# KiCad board AudioOutputPCB_Balanced.kicad_pcb
title: Balanced Analog Output Board for SmallDSP; date: 2024-04-24; rev: 1.0; company: Till Heuer
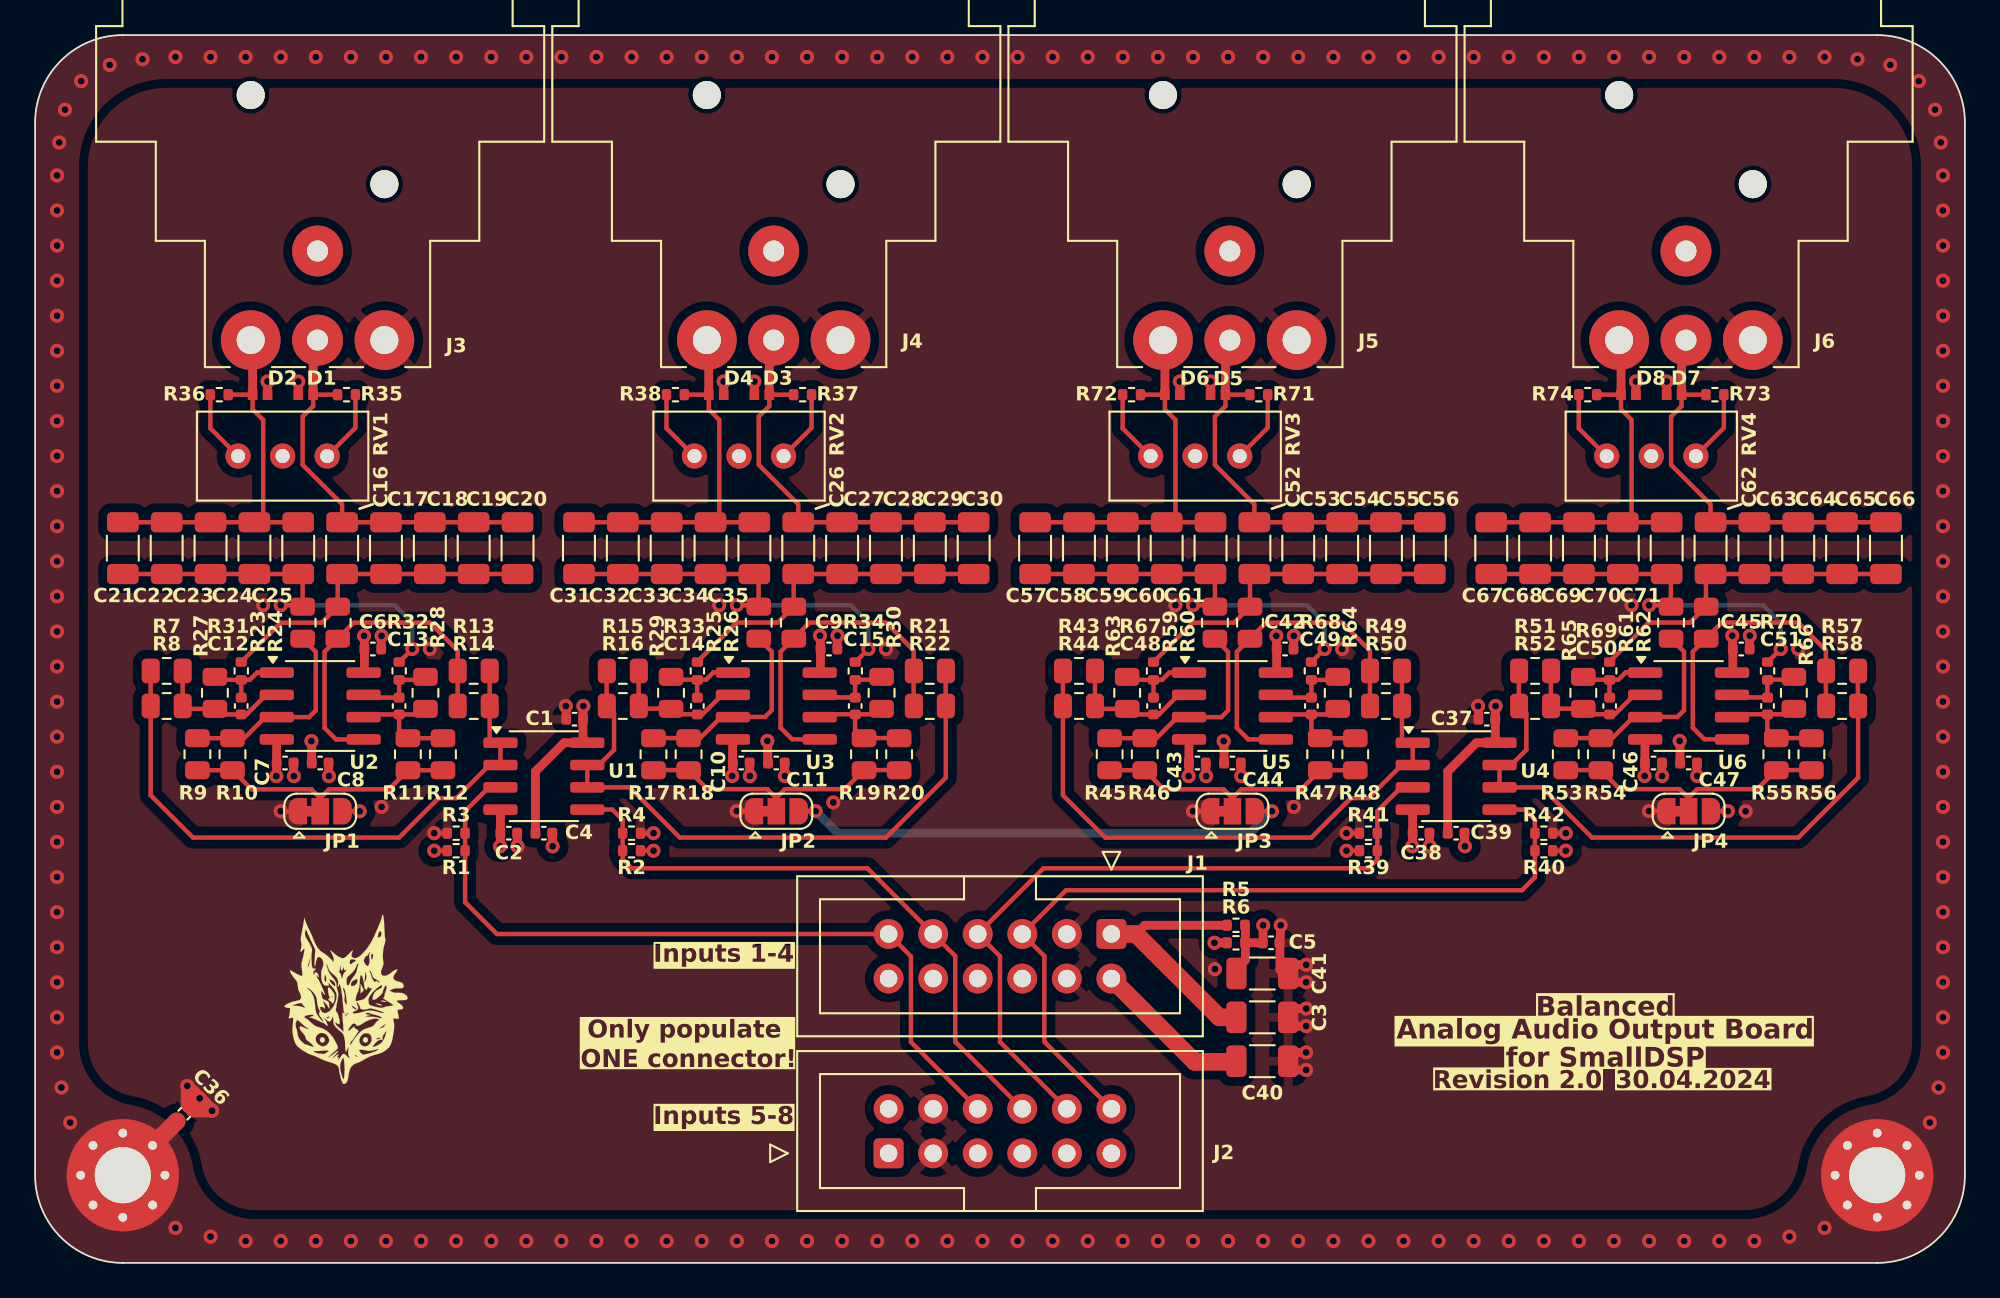
[diagram p0: board, top side]
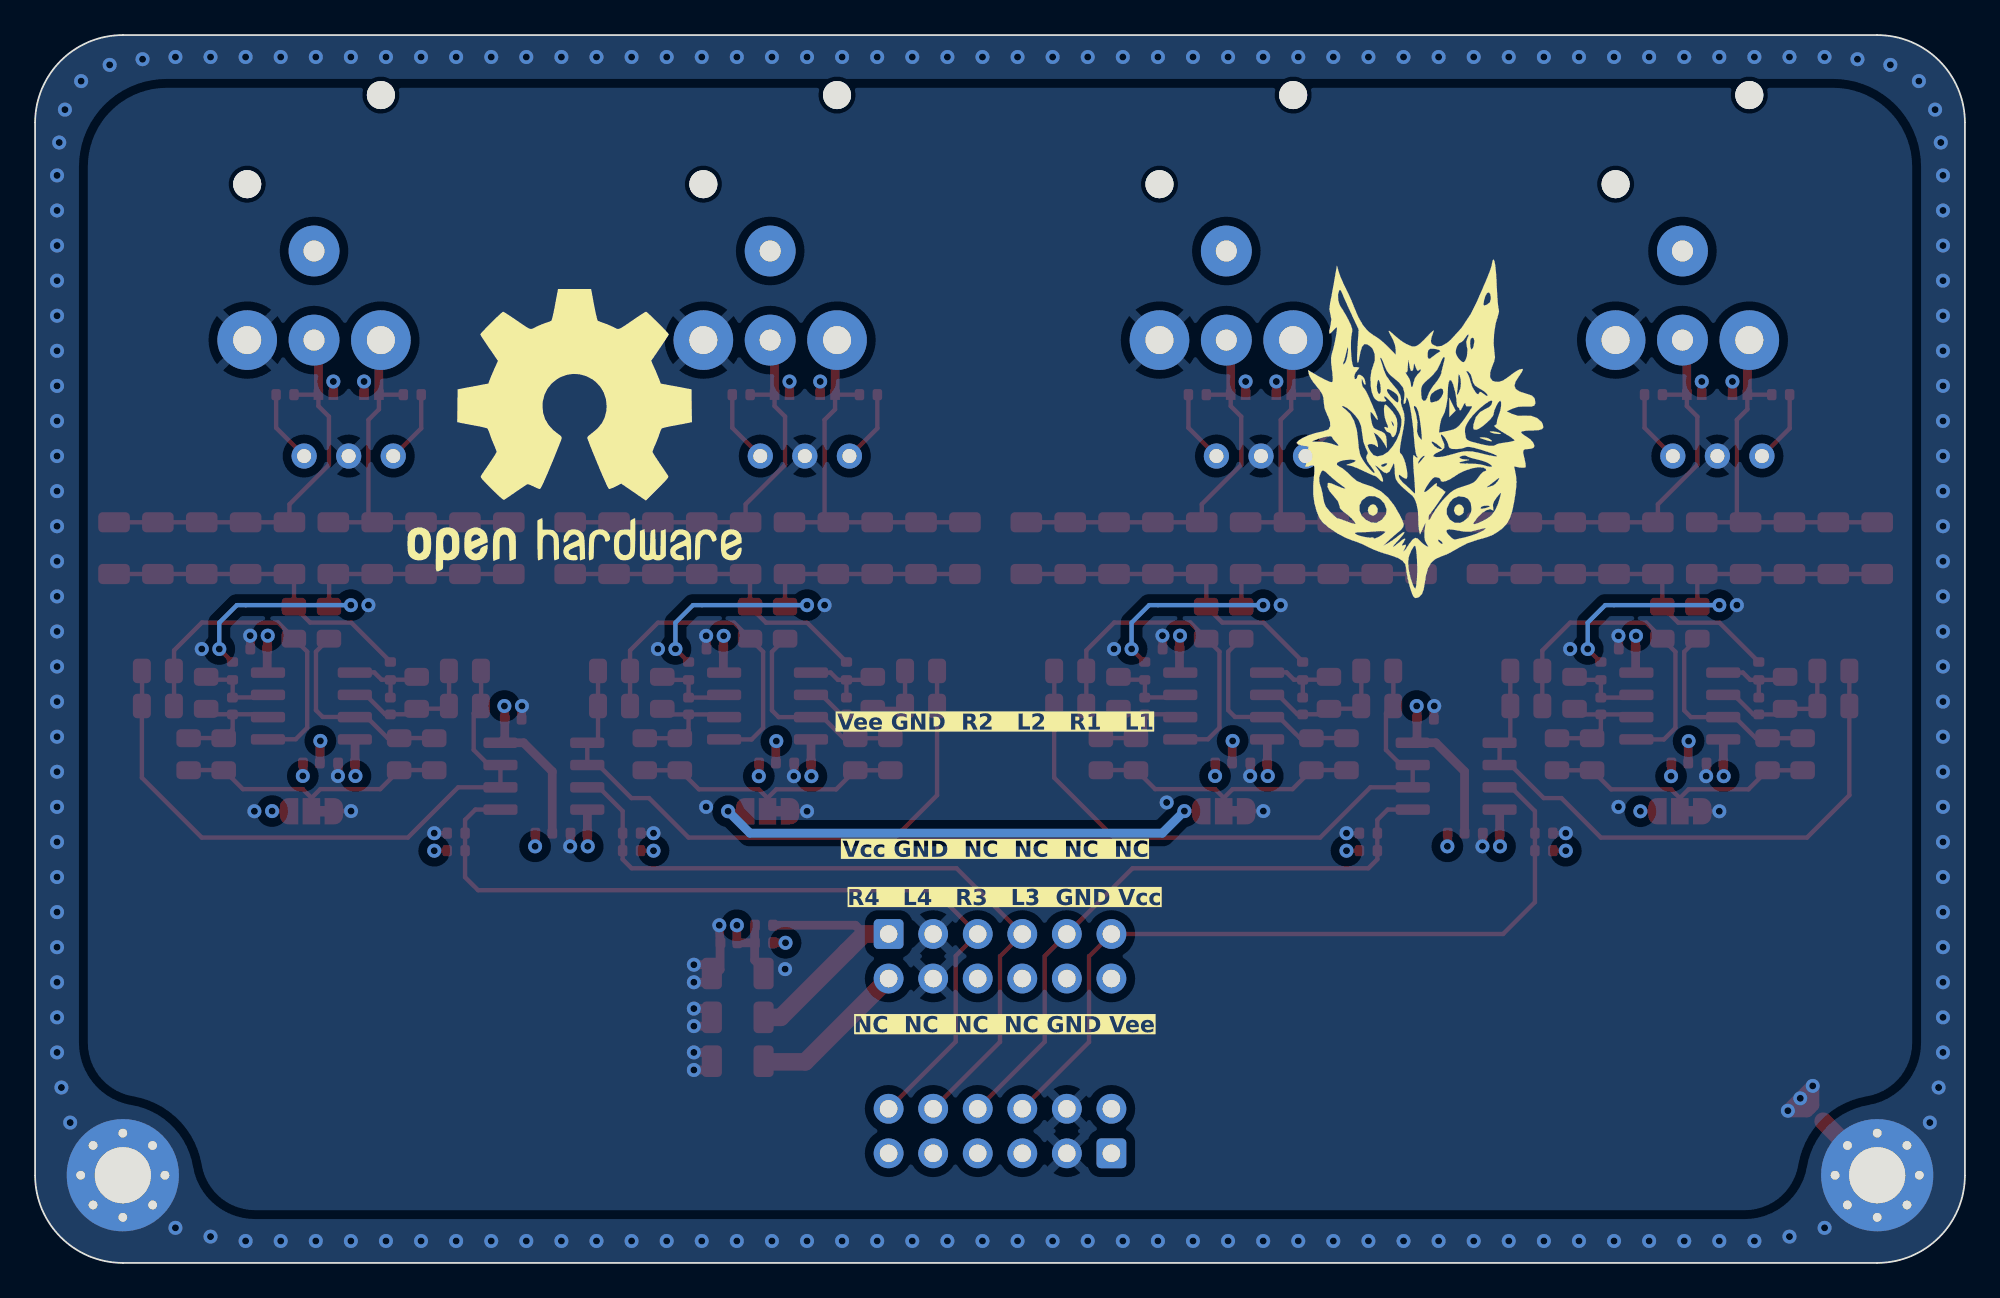
[diagram p1: board, bottom side, seen from below]

Outline 110 x 70 mm; copper layers: Top, In1.Cu, In2.Cu, Bottom. Coordinates in mm from the lower left corner of the outline.
Outline path: 0,65 0,5 arc(1.46,1.46) 5,0 105,0 arc(108.54,1.46) 110,5 110,65 arc(108.54,68.54) 105,70 5,70 arc(1.46,68.54) 0,65
Stack: Top 0.035mm / dielectric 0.1mm FR4 er 4.5 / In1.Cu 0.035mm / dielectric 1.24mm FR4 er 4.5 / In2.Cu 0.035mm / dielectric 0.1mm FR4 er 4.5 / Bottom 0.035mm

## Placement (name value [footprint] x y rotation side)
C1  100n  [C_0402_1005Metric]  30.75 31 180 top
C2  100n  [C_0402_1005Metric]  27 24.5 180 top
C3  10u  [C_1206_3216Metric]  69.95 16.5 180 top  (not fitted)
C4  100n  [C_0402_1005Metric]  29 24.5 0 top
C5  100n  [C_0402_1005Metric]  70.45 18.25 0 top  (not fitted)
C6  100n  [C_0402_1005Metric]  19.25 35 0 top
C7  100n  [C_0402_1005Metric]  14.25 28.5 180 top
C8  100n  [C_0402_1005Metric]  16.25 28.5 0 top
C9  100n  [C_0402_1005Metric]  45.25 35 0 top
C10  100n  [C_0402_1005Metric]  40.25 28.5 180 top
C11  100n  [C_0402_1005Metric]  42.25 28.5 0 top
C12  22p  [C_0402_1005Metric]  11.75 31.75 270 top
C13  22p  [C_0402_1005Metric]  20.75 31.75 270 top
C14  22p  [C_0402_1005Metric]  37.75 31.75 270 top
C15  22p  [C_0402_1005Metric]  46.75 31.75 270 top
C16  100u  [C_1206_3216Metric]  17.5 40.75 90 top
C17  100u  [C_1206_3216Metric]  20 40.75 90 top
C18  100u  [C_1206_3216Metric]  22.5 40.75 90 top
C19  100u  [C_1206_3216Metric]  25 40.75 90 top
C20  100u  [C_1206_3216Metric]  27.5 40.75 90 top
C21  100u  [C_1206_3216Metric]  5 40.75 90 top
C22  100u  [C_1206_3216Metric]  7.5 40.75 90 top
C23  100u  [C_1206_3216Metric]  10 40.75 90 top
C24  100u  [C_1206_3216Metric]  12.5 40.75 90 top
C25  100u  [C_1206_3216Metric]  15 40.75 90 top
C26  100u  [C_1206_3216Metric]  43.5 40.75 90 top
C27  100u  [C_1206_3216Metric]  46 40.75 90 top
C28  100u  [C_1206_3216Metric]  48.5 40.75 90 top
C29  100u  [C_1206_3216Metric]  51 40.75 90 top
C30  100u  [C_1206_3216Metric]  53.5 40.75 90 top
C31  100u  [C_1206_3216Metric]  31 40.75 90 top
C32  100u  [C_1206_3216Metric]  33.5 40.75 90 top
C33  100u  [C_1206_3216Metric]  36 40.75 90 top
C34  100u  [C_1206_3216Metric]  38.5 40.75 90 top
C35  100u  [C_1206_3216Metric]  41 40.75 90 top
C36  100n  [C_0402_1005Metric]  8.5 8.5 45 top
C37  100n  [C_0402_1005Metric]  82.75 31 180 top
C38  100n  [C_0402_1005Metric]  79 24.5 180 top
C39  100n  [C_0402_1005Metric]  81 24.5 0 top
C40  10u  [C_1206_3216Metric]  69.95 11.5 180 top
C41  10u  [C_1206_3216Metric]  69.95 14 0 top
C42  100n  [C_0402_1005Metric]  71.25 35 0 top
C43  100n  [C_0402_1005Metric]  66.25 28.5 180 top
C44  100n  [C_0402_1005Metric]  68.25 28.5 0 top
C45  100n  [C_0402_1005Metric]  97.25 35 0 top
C46  100n  [C_0402_1005Metric]  92.25 28.5 180 top
C47  100n  [C_0402_1005Metric]  94.25 28.5 0 top
C48  22p  [C_0402_1005Metric]  63.75 31.75 270 top
C49  22p  [C_0402_1005Metric]  72.75 31.75 270 top
C50  22p  [C_0402_1005Metric]  89.75 31.75 270 top
C51  22p  [C_0402_1005Metric]  98.75 31.75 270 top
C52  100u  [C_1206_3216Metric]  69.5 40.75 90 top
C53  100u  [C_1206_3216Metric]  72 40.75 90 top
C54  100u  [C_1206_3216Metric]  74.5 40.75 90 top
C55  100u  [C_1206_3216Metric]  77 40.75 90 top
C56  100u  [C_1206_3216Metric]  79.5 40.75 90 top
C57  100u  [C_1206_3216Metric]  57 40.75 90 top
C58  100u  [C_1206_3216Metric]  59.5 40.75 90 top
C59  100u  [C_1206_3216Metric]  62 40.75 90 top
C60  100u  [C_1206_3216Metric]  64.5 40.75 90 top
C61  100u  [C_1206_3216Metric]  67 40.75 90 top
C62  100u  [C_1206_3216Metric]  95.5 40.75 90 top
C63  100u  [C_1206_3216Metric]  98 40.75 90 top
C64  100u  [C_1206_3216Metric]  100.5 40.75 90 top
C65  100u  [C_1206_3216Metric]  103 40.75 90 top
C66  100u  [C_1206_3216Metric]  105.5 40.75 90 top
C67  100u  [C_1206_3216Metric]  83 40.75 90 top
C68  100u  [C_1206_3216Metric]  85.5 40.75 90 top
C69  100u  [C_1206_3216Metric]  88 40.75 90 top
C70  100u  [C_1206_3216Metric]  90.5 40.75 90 top
C71  100u  [C_1206_3216Metric]  93 40.75 90 top
D1  H5VL10B  [DFN1006-2_Bipolar]  15.42 49.5 180 top
D2  H5VL10B  [DFN1006-2_Bipolar]  12.83 49.5 180 top
D3  H5VL10B  [DFN1006-2_Bipolar]  41.42 49.5 180 top
D4  H5VL10B  [DFN1006-2_Bipolar]  38.83 49.5 180 top
D5  H5VL10B  [DFN1006-2_Bipolar]  67.42 49.5 180 top
D6  H5VL10B  [DFN1006-2_Bipolar]  64.83 49.5 180 top
D7  H5VL10B  [DFN1006-2_Bipolar]  93.43 49.5 180 top
D8  H5VL10B  [DFN1006-2_Bipolar]  90.83 49.5 180 top
G***  LOGO  [Strix_paint_600dpi]  17.75 15 0 top
G***#2  LOGO  [Strix_paint_300dpi]  31 47.5 180 bottom
G***#3  LOGO  [OpenHardware_600dpi]  79.25 47.5 180 bottom
H1  MountingHole_Pad  [MountingHole_3.2mm_M3_Pad_Via]  5 5 0 top
H2  MountingHole_Pad  [MountingHole_3.2mm_M3_Pad_Via]  105 5 0 top
J1  IDC  [IDC-Header_2x06_P2.54mm_Vertical]  61.35 18.75 270 top
J2  IDC  [IDC-Header_2x06_P2.54mm_Vertical]  48.65 6.25 90 top
J3  NC3MAAH  [Jack_XLR_Neutrik_NC3MAAH_Horizontal]  19.91 52.61 180 top
J4  NC3MAAH  [Jack_XLR_Neutrik_NC3MAAH_Horizontal]  45.91 52.61 180 top
J5  NC3MAAH  [Jack_XLR_Neutrik_NC3MAAH_Horizontal]  71.91 52.61 180 top
J6  NC3MAAH  [Jack_XLR_Neutrik_NC3MAAH_Horizontal]  97.91 52.61 180 top
JP1  Jumper  [SolderJumper-3_P1.3mm_Bridged12_RoundedPad1.0x1.5mm]  16.25 25.75 0 top
JP2  Jumper  [SolderJumper-3_P1.3mm_Bridged12_RoundedPad1.0x1.5mm]  42.25 25.75 0 top
JP3  Jumper  [SolderJumper-3_P1.3mm_Bridged12_RoundedPad1.0x1.5mm]  68.25 25.75 0 top
JP4  Jumper  [SolderJumper-3_P1.3mm_Bridged12_RoundedPad1.0x1.5mm]  94.25 25.75 0 top
R1  100k  [R_0402_1005Metric]  24 23.5 180 top  (not fitted)
R2  100k  [R_0402_1005Metric]  34 23.5 0 top  (not fitted)
R3  100k  [R_0402_1005Metric]  24 24.5 180 top
R4  100k  [R_0402_1005Metric]  34 24.5 0 top
R5  10k  [R_0402_1005Metric]  68.45 18.25 0 top  (not fitted)
R6  10k  [R_0402_1005Metric]  68.45 19.25 180 top  (not fitted)
R7  10k  [R_0805_2012Metric]  7.5 33.75 0 top
R8  10k  [R_0805_2012Metric]  7.5 31.75 0 top
R9  10k  [R_0805_2012Metric]  9.25 29 90 top
R10  10k  [R_0805_2012Metric]  11.25 29 90 top
R11  10k  [R_0805_2012Metric]  21.25 29 90 top
R12  10k  [R_0805_2012Metric]  23.25 29 90 top
R13  10k  [R_0805_2012Metric]  25 33.75 180 top
R14  10k  [R_0805_2012Metric]  25 31.75 180 top
R15  10k  [R_0805_2012Metric]  33.5 33.75 0 top
R16  10k  [R_0805_2012Metric]  33.5 31.75 0 top
R17  10k  [R_0805_2012Metric]  35.25 29 90 top
R18  10k  [R_0805_2012Metric]  37.25 29 90 top
R19  10k  [R_0805_2012Metric]  47.25 29 90 top
R20  10k  [R_0805_2012Metric]  49.25 29 90 top
R21  10k  [R_0805_2012Metric]  51 33.75 180 top
R22  10k  [R_0805_2012Metric]  51 31.75 180 top
R23  10k  [R_0805_2012Metric]  15.25 36.5 270 top
R24  10k  [R_0805_2012Metric]  17.25 36.5 270 top
R25  10k  [R_0805_2012Metric]  41.25 36.5 270 top
R26  10k  [R_0805_2012Metric]  43.25 36.5 270 top
R27  10k  [R_0805_2012Metric]  10.25 32.5 90 top
R28  10k  [R_0805_2012Metric]  22.25 32.5 90 top
R29  10k  [R_0805_2012Metric]  36.25 32.5 90 top
R30  10k  [R_0805_2012Metric]  48.25 32.5 90 top
R31  47R  [R_0402_1005Metric]  11.75 33.75 270 top
R32  47R  [R_0402_1005Metric]  20.75 33.75 270 top
R33  47R  [R_0402_1005Metric]  37.75 33.75 270 top
R34  47R  [R_0402_1005Metric]  46.75 33.75 270 top
R35  1k  [R_0402_1005Metric]  17.75 49.5 0 top
R36  1k  [R_0402_1005Metric]  10.5 49.5 0 top
R37  1k  [R_0402_1005Metric]  43.75 49.5 0 top
R38  1k  [R_0402_1005Metric]  36.5 49.5 0 top
R39  100k  [R_0402_1005Metric]  76 23.5 180 top  (not fitted)
R40  100k  [R_0402_1005Metric]  86 23.5 0 top  (not fitted)
R41  100k  [R_0402_1005Metric]  76 24.5 180 top
R42  100k  [R_0402_1005Metric]  86 24.5 0 top
R43  10k  [R_0805_2012Metric]  59.5 33.75 0 top
R44  10k  [R_0805_2012Metric]  59.5 31.75 0 top
R45  10k  [R_0805_2012Metric]  61.25 29 90 top
R46  10k  [R_0805_2012Metric]  63.25 29 90 top
R47  10k  [R_0805_2012Metric]  73.25 29 90 top
R48  10k  [R_0805_2012Metric]  75.25 29 90 top
R49  10k  [R_0805_2012Metric]  77 33.75 180 top
R50  10k  [R_0805_2012Metric]  77 31.75 180 top
R51  10k  [R_0805_2012Metric]  85.5 33.75 0 top
R52  10k  [R_0805_2012Metric]  85.5 31.75 0 top
R53  10k  [R_0805_2012Metric]  87.25 29 90 top
R54  10k  [R_0805_2012Metric]  89.25 29 90 top
R55  10k  [R_0805_2012Metric]  99.25 29 90 top
R56  10k  [R_0805_2012Metric]  101.25 29 90 top
R57  10k  [R_0805_2012Metric]  103 33.75 180 top
R58  10k  [R_0805_2012Metric]  103 31.75 180 top
R59  10k  [R_0805_2012Metric]  67.25 36.5 270 top
R60  10k  [R_0805_2012Metric]  69.25 36.5 270 top
R61  10k  [R_0805_2012Metric]  93.25 36.5 270 top
R62  10k  [R_0805_2012Metric]  95.25 36.5 270 top
R63  10k  [R_0805_2012Metric]  62.25 32.5 90 top
R64  10k  [R_0805_2012Metric]  74.25 32.5 90 top
R65  10k  [R_0805_2012Metric]  88.25 32.5 90 top
R66  10k  [R_0805_2012Metric]  100.25 32.5 90 top
R67  47R  [R_0402_1005Metric]  63.75 33.75 270 top
R68  47R  [R_0402_1005Metric]  72.75 33.75 270 top
R69  47R  [R_0402_1005Metric]  89.75 33.75 270 top
R70  47R  [R_0402_1005Metric]  98.75 33.75 270 top
R71  1k  [R_0402_1005Metric]  69.75 49.5 0 top
R72  1k  [R_0402_1005Metric]  62.5 49.5 0 top
R73  1k  [R_0402_1005Metric]  95.75 49.5 0 top
R74  1k  [R_0402_1005Metric]  88.5 49.5 0 top
RV1  Pot 1k  [Potentiometer_Bourns_3296W_Vertical]  16.65 46 0 top
RV2  Pot 1k  [Potentiometer_Bourns_3296W_Vertical]  42.66 46 0 top
RV3  Pot 1k  [Potentiometer_Bourns_3296W_Vertical]  68.66 46 0 top
RV4  Pot 1k  [Potentiometer_Bourns_3296W_Vertical]  94.66 46 0 top
U1  NE5532  [SOIC-8_3.9x4.9mm_P1.27mm]  29 27.75 0 top
U2  NE5532  [SOIC-8_3.9x4.9mm_P1.27mm]  16.25 31.75 0 top
U3  NE5532  [SOIC-8_3.9x4.9mm_P1.27mm]  42.25 31.75 0 top
U4  NE5532  [SOIC-8_3.9x4.9mm_P1.27mm]  81 27.75 0 top
U5  NE5532  [SOIC-8_3.9x4.9mm_P1.27mm]  68.25 31.75 0 top
U6  NE5532  [SOIC-8_3.9x4.9mm_P1.27mm]  94.25 31.75 0 top

## Library data of the parts
C1 C2 C4-C11 C36-C39 C42-C47 = -: Dielectric: X7R; Notes: -25%@10VDC; Rated Voltage: 50V; Assembling: X; Manufacturer: Samsung Electro-Mechanics; Part Number: CL05B104KB54PNC; Tolerance: 10%; LCSC Part #: C307331; ki_fp_filters: C_*
C3 C40 C41 = -: Assembling: X; ki_fp_filters: C_*
C12-C15 C48-C51 = -: Manufacturer: FH (Guangdong Fenghua Advanced Tech); Part Number: 0402CG220J500NT; Dielectric: C0G; Rated Voltage: 50V; Tolerance: 5%; Assembling: X; LCSC Part #: C1555; ki_fp_filters: C_*
C16-C35 C52-C71 = -: Assembling: X; VC@OP: -30%; ki_fp_filters: C_*
D1-D8 = -: Assembling: X; Manufacturer: hongjiacheng; LCSC Part #: C7420372; ki_fp_filters: TO-???* *_Diode_* *SingleDiode* D_*
H1 H2 = -: Manufacturer: -; Part Number: -; LCSC Part #: -; ki_fp_filters: MountingHole*Pad*
J1 J2 = -: LCSC Part #: -; Manufacturer: Amphenol; Part Number: 75869-302LF; ki_fp_filters: Connector*:*_2x??_*
J3-J6 = -: Datasheet: https://www.neutrik.com/en/product/nc3maah; Manufacturer: Neutrik; ki_fp_filters: Jack*XLR*
JP1-JP4 = -: Description: 3-pole Solder Jumper, pins 1+2 closed/bridged; ki_fp_filters: SolderJumper*Bridged12*
R1-R4 R39-R42 = -: Assembling: X; Manufacturer: UNI-ROYAL(Uniroyal Elec); Rated Power: 62.5mW; Part Number: 0402WGF1003TCE; Tolerance: 1%; ki_fp_filters: R_*
R5 R6 = -: Assembling: X; Manufacturer: UNI-ROYAL(Uniroyal Elec); Rated Power: 62.5mW; Part Number: 0402WGF1002TCE; Tolerance: 1%; ki_fp_filters: R_*
R7-R30 R43-R66 = -: Assembling: X; Manufacturer: YAGEO; Rated Power: 125mW; Part Number: RT0805BRD0710KL; Tolerance: max. 0.1%; JLC Part Number: C110775; ki_fp_filters: R_*
R31-R34 R67-R70 = -: Assembling: X; Manufacturer: UNI-ROYAL(Uniroyal Elec); Rated Power: 62.5mW; Part Number: 0402WGF470JTCE; Tolerance: 1%; LCSC Part #: C25118; ki_fp_filters: R_*
R35-R38 R71-R74 = -: Assembling: X; Manufacturer: UNI-ROYAL(Uniroyal Elec); Rated Power: 62.5mW; Part Number: 0402WGF1001TCE; Tolerance: 1%; LCSC Part #: C11702; ki_fp_filters: R_*
RV1-RV4 = -: Manufacturer: BOCHEN(Chengdu Guosheng Tech); Part Number: 3296W-1-102; Rated Current: 100mA; Rated Power: 250mW; JLC Part Number: C118949; ki_fp_filters: Potentiometer*
U1-U6 = -: Manufacturer: Texas Instruments; Part Number: NE5532DR; Assembling: X; LCSC Part #: C7426; ki_fp_filters: SOIC*3.9x4.9mm*P1.27mm* DIP*W7.62mm* MSOP*3x3mm*P0.65mm* SSOP*2.95x2.8mm*P0.65mm* TSSOP*3x3mm*P0.65mm* VSSOP*P0.5mm* TO?99*

## Footprints (pads in the part's own frame, mm; a bottom-side part is the same pattern mirrored in y, then rotated)
C_0402_1005Metric
  rrect 0.56x0.62 smd: 1(-0.48,0) 2(0.48,0)
C_1206_3216Metric
  rrect 1.15x1.8 smd: 1(-1.475,0) 2(1.475,0)
DFN1006-2_Bipolar
  rect 0.55x0.6 smd: 1(-0.425,0) 2(0.425,0)
IDC-Header_2x06_P2.54mm_Vertical
  rrect 1.7x1.7 hole 1: 1(0,0)
  round 1.7 hole 1: 2(2.54,0) 3(0,-2.54) 4(2.54,-2.54) 5(0,-5.08) 6(2.54,-5.08) 7(0,-7.62) 8(2.54,-7.62) 9(0,-10.16) 10(2.54,-10.16) 11(0,-12.7) 12(2.54,-12.7)
Jack_XLR_Neutrik_NC3MAAH_Horizontal
  round 1.6 hole 1.6 unplated: (0,-8.89) (7.62,-13.97)
  round 3.4 hole 1.6: 1(0,0) 2(7.62,0)
  round 2.9 hole 1.2: 3(3.81,0) G(3.81,-5.08)
MountingHole_3.2mm_M3_Pad_Via
  round 0.8 hole 0.5: 1(-2.4,0) 1(-1.697,1.697) 1(-1.697,-1.697) 1(0,2.4) 1(0,-2.4) 1(1.697,1.697) 1(1.697,-1.697) 1(2.4,0)
  round 6.4 hole 3.2: 1(0,0)
Potentiometer_Bourns_3296W_Vertical
  round 1.44 hole 0.8: 1(0,0) 2(-2.54,0) 3(-5.08,0)
R_0402_1005Metric
  rrect 0.54x0.64 smd: 1(-0.51,0) 2(0.51,0)
R_0805_2012Metric
  rrect 1.025x1.4 smd: 1(-0.912,0) 2(0.912,0)
SOIC-8_3.9x4.9mm_P1.27mm
  rrect 1.95x0.6 smd: 1(-2.475,1.905) 2(-2.475,0.635) 3(-2.475,-0.635) 4(-2.475,-1.905) 5(2.475,-1.905) 6(2.475,-0.635) 7(2.475,0.635) 8(2.475,1.905)
SolderJumper-3_P1.3mm_Bridged12_RoundedPad1.0x1.5mm
  custom 1.05x1.5 smd: 1(-1.3,0) 3(1.3,0)
  rect 1x1.5 smd: 2(0,0)

## Nets
GND: C1.2 C2.1 C3.1 C5.2 C6.2 C7.1 C9.2 C10.1 C36.2 C37.2 C38.1 C40.1 C41.2 C42.2 C43.1 C45.2 C46.1 J1.3 J1.4 J2.3 J2.4 J3.1 J4.1 J5.1 J6.1 JP1.1 JP2.1 JP3.1 JP4.1 R3.2 R4.2 R41.2 R42.2 RV1.2 RV2.2 RV3.2 RV4.2
VCC: C1.1 C4.1 C6.1 C8.1 C9.1 C11.1 C37.1 C39.1 C40.2 C42.1 C44.1 C45.1 C47.1 J1.2 J2.2 R5.1 U1.8 U2.8 U3.8 U4.8 U5.8 U6.8
VEE: C2.2 C4.2 C7.2 C8.2 C10.2 C11.2 C38.2 C39.2 C41.1 C43.2 C44.2 C46.2 C47.2 J1.1 J2.1 R6.2 U1.4 U2.4 U3.4 U4.4 U5.4 U6.4
/Out L1: J1.11 J2.6 R1.1 R3.1 U1.3
/Out L2: J1.7 J2.10 R39.1 R41.1 U4.3
/Out R1: J1.9 J2.8 R2.1 R4.1 U1.5
/Out R2: J1.5 J2.12 R40.1 R42.1 U4.5
Earth_Protective: C36.1 D1.2 D2.1 D3.2 D4.1 D5.2 D6.1 D7.2 D8.1 H1.1 H2.1 J3.G J4.G J5.G J6.G
VCOM: C3.2 C5.1 JP1.3 JP2.3 JP3.3 JP4.3 R1.2 R2.2 R5.2 R6.1 R39.2 R40.2
Net-(C12-Pad1): C12.1 R27.2 R31.2 U2.1
Net-(C13-Pad1): C13.1 R28.2 R32.2 U2.7
Net-(C14-Pad1): C14.1 R29.2 R33.2 U3.1
Net-(C15-Pad1): C15.1 R30.2 R34.2 U3.7
Net-(C16-Pad1): C16.1 C17.1 C18.1 C19.1 C20.1 R24.1 R31.1
Net-(C21-Pad1): C21.1 C22.1 C23.1 C24.1 C25.1 R23.1 R32.1
Net-(C26-Pad1): C26.1 C27.1 C28.1 C29.1 C30.1 R26.1 R33.1
Net-(C31-Pad1): C31.1 C32.1 C33.1 C34.1 C35.1 R25.1 R34.1
Net-(C48-Pad1): C48.1 R63.2 R67.2 U5.1
Net-(C49-Pad1): C49.1 R64.2 R68.2 U5.7
Net-(C50-Pad1): C50.1 R65.2 R69.2 U6.1
Net-(C51-Pad1): C51.1 R66.2 R70.2 U6.7
Net-(C52-Pad1): C52.1 C53.1 C54.1 C55.1 C56.1 R60.1 R67.1
Net-(C57-Pad1): C57.1 C58.1 C59.1 C60.1 C61.1 R59.1 R68.1
Net-(C62-Pad1): C62.1 C63.1 C64.1 C65.1 C66.1 R62.1 R69.1
Net-(C67-Pad1): C67.1 C68.1 C69.1 C70.1 C71.1 R61.1 R70.1
Net-(D1-A1): C16.2 C17.2 C18.2 C19.2 C20.2 D1.1 J3.3 R35.1
Net-(D2-A2): C21.2 C22.2 C23.2 C24.2 C25.2 D2.2 J3.2 R36.2
Net-(D3-A1): C26.2 C27.2 C28.2 C29.2 C30.2 D3.1 J4.3 R37.1
Net-(D4-A2): C31.2 C32.2 C33.2 C34.2 C35.2 D4.2 J4.2 R38.2
Net-(D5-A1): C52.2 C53.2 C54.2 C55.2 C56.2 D5.1 J5.3 R71.1
Net-(D6-A2): C57.2 C58.2 C59.2 C60.2 C61.2 D6.2 J5.2 R72.2
Net-(D7-A1): C62.2 C63.2 C64.2 C65.2 C66.2 D7.1 J6.3 R73.1
Net-(D8-A2): C67.2 C68.2 C69.2 C70.2 C71.2 D8.2 J6.2 R74.2
Net-(JP1-C): JP1.2 R9.1 R10.1 R11.1 R12.1
Net-(JP2-C): JP2.2 R17.1 R18.1 R19.1 R20.1
Net-(JP3-C): JP3.2 R45.1 R46.1 R47.1 R48.1
Net-(JP4-C): JP4.2 R53.1 R54.1 R55.1 R56.1
Net-(R35-Pad2): R35.2 RV1.1
Net-(R36-Pad1): R36.1 RV1.3
Net-(R37-Pad2): R37.2 RV2.1
Net-(R38-Pad1): R38.1 RV2.3
Net-(R71-Pad2): R71.2 RV3.1
Net-(R72-Pad1): R72.1 RV3.3
Net-(R73-Pad2): R73.2 RV4.1
Net-(R74-Pad1): R74.1 RV4.3
Net-(U1A--): R7.1 R8.1 R13.1 R14.1 U1.1 U1.2
Net-(U1B--): R15.1 R16.1 R21.1 R22.1 U1.6 U1.7
Net-(U2A-+): R9.2 R10.2 R23.2 U2.3
Net-(U2A--): C12.2 R7.2 R8.2 R27.1 U2.2
Net-(U2B-+): R13.2 R14.2 R24.2 U2.5
Net-(U2B--): C13.2 R11.2 R12.2 R28.1 U2.6
Net-(U3A-+): R17.2 R18.2 R25.2 U3.3
Net-(U3A--): C14.2 R15.2 R16.2 R29.1 U3.2
Net-(U3B-+): R21.2 R22.2 R26.2 U3.5
Net-(U3B--): C15.2 R19.2 R20.2 R30.1 U3.6
Net-(U4A--): R43.1 R44.1 R49.1 R50.1 U4.1 U4.2
Net-(U4B--): R51.1 R52.1 R57.1 R58.1 U4.6 U4.7
Net-(U5A-+): R45.2 R46.2 R59.2 U5.3
Net-(U5A--): C48.2 R43.2 R44.2 R63.1 U5.2
Net-(U5B-+): R49.2 R50.2 R60.2 U5.5
Net-(U5B--): C49.2 R47.2 R48.2 R64.1 U5.6
Net-(U6A-+): R53.2 R54.2 R61.2 U6.3
Net-(U6A--): C50.2 R51.2 R52.2 R65.1 U6.2
Net-(U6B-+): R57.2 R58.2 R62.2 U6.5
Net-(U6B--): C51.2 R55.2 R56.2 R66.1 U6.6

Pads without a net: J1 6 8 10 12; J2 5 7 9 11

## Via types
v1: diameter 0.8, hole 0.4, Top to Bottom, 253 vias

## Routing (per net, layer and track width the routed paths; a pad name or vN(x,y) marks a point on that pad's centre or on a via; arc(x,y) is an arc through that point)
GND: length 32.9
  Top w0.25: R3.2 v1(22.75,24.5) ; R42.2 v1(87.25,24.5) ; R41.2 v1(74.75,24.5) ; 40.94,25.76 v1(39.99,25.76) ; 92.94,25.76 v1(91.99,25.76) ; JP1.1 v1(14,25.75) ; JP3.1 v1(66,25.75) ; R4.2 v1(35.25,24.5)
  Top w0.5: C1.2 30.27,31.73 v1(30.25,31.75) ; v1(27.5,23.75) 27.48,23.77 C2.1 ; 70.96,19.23 v1(71,19.25) 70.96,18.25 70.96,16.72 71.18,16.5 ; v1(72.45,13.5) 71.68,13.5 71.18,14 71.68,14.5 v1(72.45,14.5) ; 97.72,35.01 97.72,35.74 ; v1(92.74,27.76) 92.72,27.78 92.72,28.51 ; 45.72,35.01 45.72,35.74 ; v1(66.75,27.75) 66.73,27.77 C43.1 ; v1(79.5,23.75) 79.48,23.77 C38.1 ; C7.1 14.73,27.77 v1(14.75,27.75) ; v1(72.45,17) 71.68,17 71.18,16.5 ; v1(72.45,16) 71.68,16 71.18,16.5 ; C42.2 71.73,35.73 ; 40.72,28.51 40.72,27.78 v1(40.74,27.76) ; v1(72.45,11) 71.68,11 71.18,11.5 71.68,12 v1(72.45,12) ; v1(82.25,31.75) 82.27,31.73 C37.2 ; C6.2 19.73,35.73
  Top w0.75: C36.2 v1(9.38,9.38) ; C36.2 9,8.68 v1(10.09,8.68) v1(8.68,10.09) 8.68,9 C36.2
  vias: v1(13,37.5) v1(19.75,35.75) v1(19.75,26) v1(22.5,35) v1(39,37.5) v1(45.5,26.25) v1(45.74,35.76) v1(48.5,35) v1(65,37.5) v1(67.25,16.75) v1(71.75,35.75) v1(71.75,26) v1(74.5,35) v1(91,37.5) v1(97.5,25.75) v1(97.74,35.76) v1(100.5,35)
VCC: length 41.8
  Top w0.5: U2.8 18.77,33.7 C6.1 18.77,35.73 v1(18.75,35.75) ; C45.1 96.77,33.7 U6.8 ; U3.8 44.77,33.7 C9.1 ; v1(44.74,35.76) 44.76,35.74 44.76,35.01 ; v1(93.74,29.76) 93.76,29.74 93.76,28.51 ; v1(41.74,29.76) 41.76,29.74 41.76,28.51 ; 67.97,18.25 v1(67.22,18.25) ; C4.1 28.52,28.02 30.16,29.66 U1.8 31.23,29.9 C1.1 31.23,31.73 v1(31.25,31.75) ; C8.1 15.77,29.73 v1(15.75,29.75) ; U5.8 70.77,33.7 C42.1 70.77,35.73 v1(70.75,35.75) ; v1(67.75,29.75) 67.77,29.73 C44.1 ; 96.76,35.01 96.76,35.74 v1(96.74,35.76) ; v1(83.25,31.75) 83.23,31.73 C37.1 83.23,29.9 U4.8 82.16,29.66 80.52,28.02 C39.1
  Top w1: J1.2 66.1,11.46 68.19,11.46 68.22,11.5
VEE: length 31.4
  Top w0.5: v1(94.74,27.76) 94.72,27.78 94.72,28.51 ; C44.2 68.73,27.77 v1(68.75,27.75) ; 91.76,29.86 91.76,29.85 91.76,27.78 v1(91.74,27.76) ; v1(81.5,23.75) 81.48,23.77 C39.2 ; v1(13.75,27.75) 13.77,27.77 C7.2 13.77,29.84 U2.4 ; v1(26.5,23.75) 26.52,23.77 C2.2 26.52,25.84 U1.4 ; v1(65.75,27.75) 65.77,27.77 C43.2 65.77,29.84 U5.4 ; v1(39.74,27.76) 39.76,27.78 39.76,29.85 39.76,29.86 ; U4.4 78.52,25.84 C38.2 78.52,23.77 v1(78.5,23.75) ; C8.2 16.73,27.77 v1(16.75,27.75) ; v1(42.74,27.76) 42.72,27.78 42.72,28.51 ; 67.97,19.25 63.25,19.25 62.75,18.75 ; v1(29.5,23.75) 29.48,23.77 C4.2
  Top w1: J1.1 62.75,18.75 67.5,14 68.22,14
/Out L1: length 44.7
  Top w0.25: U1.3 25.86,27.11 24.51,25.76 R3.1 R1.1 24.51,20.57 26.32,18.75 J1.11 49.93,17.48 49.93,12.59 J2.6
/Out L2: length 41.9
  Top w0.25: U4.3 77.87,27.11 76.51,25.76 R41.1 R39.1 76.51,23.01 76,22.5 57.48,22.5 J1.7 55,17.48 55,12.6 J2.10
/Out R1: length 36
  Top w0.25: U1.5 32.91,25.84 33.49,25.26 R2.1 33.49,23.01 34,22.5 47.44,22.5 J1.9 52.45,17.49 52.45,12.61 J2.8
/Out R2: length 48.2
  Top w0.25: J2.12 57.53,12.61 57.53,17.5 J1.5 58.77,21.25 84.75,21.25 85.49,21.99 R40.1 85.49,25.26 84.91,25.84 U4.5
Earth_Protective: length 8.7
  Top w0.5: D2.1 v1(13.25,50.25) ; D8.1 v1(91.25,50.25) ; D7.2 v1(93,50.25) ; D3.2 v1(41,50.25) ; D6.1 v1(65.25,50.25) ; D1.2 v1(15,50.25) ; D5.2 v1(67,50.25) ; D4.1 v1(39.25,50.25)
  Top w1: 6.2,6.2 8.08,8.08
  vias: v1(1.25,62) v1(1.25,60) v1(1.25,58) v1(1.25,56) v1(1.25,54) v1(1.25,52) v1(1.25,50) v1(1.25,48) v1(1.25,46) v1(1.25,44) v1(1.25,42) v1(1.25,40) v1(1.25,38) v1(1.25,36) v1(1.25,34) v1(1.25,32) v1(1.25,30) v1(1.25,28) v1(1.25,26) v1(1.25,24) v1(1.25,22) v1(1.25,20) v1(1.25,18) v1(1.25,16) v1(1.25,14) v1(1.25,12) v1(1.38,63.88) v1(1.5,10) v1(1.7,65.75) v1(2,8) v1(2.62,67.38) v1(4.25,68.3) v1(6.12,68.62) v1(8,68.75) v1(8,2) v1(10,68.75) v1(10,1.5) v1(12,68.75) v1(12,1.25) v1(14,68.75) v1(14,1.25) v1(16,68.75) v1(16,1.25) v1(18,68.75) v1(18,1.25) v1(20,68.75) v1(20,1.25) v1(22,68.75) v1(22,1.25) v1(24,68.75) v1(24,1.25) v1(26,68.75) v1(26,1.25) v1(28,68.75) v1(28,1.25) v1(30,68.75) v1(30,1.25) v1(32,68.75) v1(32,1.25) v1(34,68.75) v1(34,1.25) v1(36,68.75) v1(36,1.25) v1(38,68.75) v1(38,1.25) v1(40,68.75) v1(40,1.25) v1(42,68.75) v1(42,1.25) v1(44,68.75) v1(44,1.25) v1(46,68.75) v1(46,1.25) v1(48,68.75) v1(48,1.25) v1(50,68.75) v1(50,1.25) v1(52,68.75) v1(52,1.25) v1(54,68.75) v1(54,1.25) v1(56,68.75) v1(56,1.25) v1(58,68.75) v1(58,1.25) v1(60,68.75) v1(60,1.25) v1(62,68.75) v1(62,1.25) v1(64,68.75) v1(64,1.25) v1(66,68.75) v1(66,1.25) v1(68,68.75) v1(68,1.25) v1(70,68.75) v1(70,1.25) v1(72,68.75) v1(72,1.25) v1(74,68.75) v1(74,1.25) v1(76,68.75) v1(76,1.25) v1(78,68.75) v1(78,1.25) v1(80,68.75) v1(80,1.25) v1(82,68.75) v1(82,1.25) v1(84,68.75) v1(84,1.25) v1(86,68.75) v1(86,1.25) v1(88,68.75) v1(88,1.25) v1(90,68.75) v1(90,1.25) v1(92,68.75) v1(92,1.25) v1(94,68.75) v1(94,1.25) v1(96,68.75) v1(96,1.25) v1(98,68.75) v1(98,1.25) v1(100,68.75) v1(100,1.5) v1(102,68.75) v1(102,2) v1(103.88,68.62) v1(105.75,68.3) v1(107.38,67.38) v1(108,8) v1(108.3,65.75) v1(108.5,10) v1(108.62,63.88) v1(108.75,62) v1(108.75,60) v1(108.75,58) v1(108.75,56) v1(108.75,54) v1(108.75,52) v1(108.75,50) v1(108.75,48) v1(108.75,46) v1(108.75,44) v1(108.75,42) v1(108.75,40) v1(108.75,38) v1(108.75,36) v1(108.75,34) v1(108.75,32) v1(108.75,30) v1(108.75,28) v1(108.75,26) v1(108.75,24) v1(108.75,22) v1(108.75,20) v1(108.75,18) v1(108.75,16) v1(108.75,14) v1(108.75,12)
VCOM: length 102.9
  Top w0.25: JP3.3 v1(70.5,25.75) ; R40.2 v1(87.25,23.5) ; R39.2 v1(74.75,23.5) ; R1.2 v1(22.75,23.5) ; 43.54,25.76 v1(44.49,25.76) ; JP1.3 v1(18.5,25.75) ; 95.54,25.76 v1(96.49,25.76) ; R2.2 v1(35.25,23.5)
  Top w0.5: 70,19.23 70,18.25 68.98,18.25 ; 68.98,18.25 68.98,17.26 68.22,16.5 ; 68.98,18.25 68.98,19.25
  In2.Cu w0.5: v1(70,19.25) 70,25.25 v1(70.5,25.75) 72.75,23.5 v1(74.75,23.5) 75.75,22.5 86.25,22.5 v1(87.25,23.5) 94.23,23.5 v1(96.49,25.76) ; v1(18.5,25.75) 20.75,23.5 v1(22.75,23.5) 23.75,22.5 34.25,22.5 v1(35.25,23.5) 42.23,23.5 v1(44.49,25.76)
  Bottom w0.5: v1(44.49,25.76) 45.75,24.5 69.25,24.5 v1(70.5,25.75)
Net-(C12-Pad1): length 4.8
  Top w0.25: R31.2 12.24,33.24 12.66,33.66 U2.1 ; R31.2 C12.1 ; R31.2 10.42,33.24 R27.2
Net-(C13-Pad1): length 4.7
  Top w0.25: R28.2 22.08,33.24 R32.2 C13.1 18.88,32.23 U2.7
Net-(C14-Pad1): length 4.8
  Top w0.25: 37.74,32.24 37.74,33.25 ; 37.74,33.25 36.41,33.25 36.24,33.42 ; 37.74,33.25 38.25,33.25 38.66,33.67 39.76,33.67
Net-(C15-Pad1): length 4.7
  Top w0.25: 48.24,33.42 48.07,33.25 46.74,33.25 46.74,32.24 44.87,32.24 44.72,32.39
Net-(C16-Pad1): length 18.8
  Top w0.25: R31.1 13.99,36.5 16.34,36.5 R24.1 17.25,39.02 C16.1 C20.1
Net-(C21-Pad1): length 23.7
  Top w0.25: C21.1 C25.1 15.25,39.02 R23.1 15.16,37.5 v1(14,37.5) ; v1(21.5,35) 20.76,34.26 R32.1
  Bottom w0.25: v1(21.5,35) 21.5,36.5 20.5,37.5 v1(14,37.5)
Net-(C26-Pad1): length 18.4
  Top w0.25: C30.1 C26.1 ; 43.24,39.03 43.24,37.42 42.33,36.51 39.98,36.51 37.74,34.27
Net-(C31-Pad1): length 23.4
  Top w0.25: 46.76,34.26 v1(47.5,35) ; C35.1 C31.1 ; v1(40,37.5) 41.16,37.5 R25.1 ; 41.24,37.42 41.24,39.03
  Bottom w0.25: v1(40,37.5) 46.5,37.5 47.5,36.5 v1(47.5,35)
Net-(C48-Pad1): length 4.8
  Top w0.25: R63.2 62.42,33.24 R67.2 ; C48.1 R67.2 ; R67.2 64.24,33.24 64.66,33.66 U5.1
Net-(C49-Pad1): length 4.7
  Top w0.25: U5.7 70.88,32.23 C49.1 R68.2 74.08,33.24 R64.2
Net-(C50-Pad1): length 4.8
  Top w0.25: 89.74,33.25 90.25,33.25 90.66,33.67 91.76,33.67 ; 89.74,33.25 88.41,33.25 88.24,33.42 ; 89.74,33.25 89.74,32.24
Net-(C51-Pad1): length 4.7
  Top w0.25: 96.72,32.39 96.87,32.24 98.74,32.24 98.74,33.25 100.07,33.25 100.24,33.42
Net-(C52-Pad1): length 18.8
  Top w0.25: C56.1 C52.1 69.25,39.02 R60.1 68.34,36.5 65.99,36.5 R67.1
Net-(C57-Pad1): length 23.7
  Top w0.25: R68.1 72.76,34.26 v1(73.5,35) ; v1(66,37.5) 67.16,37.5 R59.1 67.25,39.02 C61.1 C57.1
  Bottom w0.25: v1(66,37.5) 72.5,37.5 73.5,36.5 v1(73.5,35)
Net-(C62-Pad1): length 18.4
  Top w0.25: 95.24,39.03 95.24,37.42 94.33,36.51 91.98,36.51 89.74,34.27 ; C66.1 C62.1
Net-(C67-Pad1): length 23.4
  Top w0.25: C71.1 C67.1 ; 93.24,37.42 93.24,39.03 ; v1(92,37.5) 93.16,37.5 R61.1 ; 98.76,34.26 v1(99.5,35)
  Bottom w0.25: v1(92,37.5) 98.5,37.5 99.5,36.5 v1(99.5,35)
Net-(D1-A1): length 23.1
  Top w0.25: C20.2 C16.2 17.5,43.25 15.25,45.5 15.25,48.25 15.85,48.85 D1.1 R35.1
  Top w0.5: J3.3 15.85,52.36 D1.1
Net-(D2-A2): length 22.9
  Top w0.25: C21.2 C25.2 ; R36.2 D2.2 12.4,48.66 13,48.06 13,42.73 C24.2 12.65,42.38 ; 7.24,42.48 C22.2
  Top w0.5: J3.2 12.4,52.5 D2.2
Net-(D3-A1): length 23.1
  Top w0.25: R37.1 D3.1 41.85,48.85 41.25,48.25 41.25,45.5 43.5,43.25 C26.2 C30.2
  Top w0.5: D3.1 41.85,52.36 J4.3
Net-(D4-A2): length 22.9
  Top w0.25: 33.24,42.48 C32.2 ; C31.2 C35.2 ; 38.65,42.38 C34.2 39,42.73 39,48.06 38.4,48.66 D4.2 R38.2
  Top w0.5: J4.2 38.4,52.5 D4.2
Net-(D5-A1): length 23.1
  Top w0.25: R71.1 D5.1 67.85,48.85 67.25,48.25 67.25,45.5 69.5,43.25 C52.2 C56.2
  Top w0.5: D5.1 67.85,52.36 J5.3
Net-(D6-A2): length 22.5
  Top w0.25: R72.2 D6.2 64.4,48.66 65,48.06 65,42.73 C60.2 64.65,42.38 ; C57.2 C61.2
  Top w0.5: J5.2 64.4,52.5 D6.2
Net-(D7-A1): length 23.1
  Top w0.25: R73.1 D7.1 93.85,48.85 93.25,48.25 93.25,45.5 95.5,43.25 C62.2 C66.2
  Top w0.5: J6.3 93.85,52.36 D7.1
Net-(D8-A2): length 22.5
  Top w0.25: C67.2 C71.2 ; 90.65,42.38 C70.2 91,42.73 91,48.06 90.4,48.66 D8.2 R74.2
  Top w0.5: J6.2 90.4,52.5 D8.2
Net-(JP1-C): length 16.1
  Top w0.25: 16.25,26.5 JP1.2 ; 16.25,26.5 15.75,27 12.34,27 R10.1 R9.1 ; 16.25,26.5 16.75,27 20.16,27 R11.1 R12.1
Net-(JP2-C): length 16.1
  Top w0.25: 42.24,26.51 42.74,27.01 46.15,27.01 47.24,28.1 49.24,28.1 ; 42.24,26.51 41.74,27.01 38.33,27.01 37.24,28.1 35.24,28.1 ; 42.24,26.51 42.24,25.76
Net-(JP3-C): length 16.1
  Top w0.25: 68.25,26.5 JP3.2 ; 68.25,26.5 67.75,27 64.34,27 R46.1 R45.1 ; 68.25,26.5 68.75,27 72.16,27 R47.1 R48.1
Net-(JP4-C): length 16.1
  Top w0.25: 94.24,26.51 93.74,27.01 90.33,27.01 89.24,28.1 87.24,28.1 ; 94.24,26.51 94.24,25.76 ; 94.24,26.51 94.74,27.01 98.15,27.01 99.24,28.1 101.24,28.1
Net-(R35-Pad2): length 4.2
  Top w0.25: R35.2 18.26,47.61 RV1.1
Net-(R36-Pad1): length 4.2
  Top w0.25: R36.1 9.99,47.58 RV1.3
Net-(R37-Pad2): length 4.2
  Top w0.25: R37.2 44.26,47.61 42.65,46
Net-(R38-Pad1): length 4.2
  Top w0.25: 37.57,46 35.99,47.58 R38.1
Net-(R71-Pad2): length 4.2
  Top w0.25: R71.2 70.26,47.61 68.65,46
Net-(R72-Pad1): length 4.2
  Top w0.25: 63.57,46 61.99,47.58 R72.1
Net-(R73-Pad2): length 4.2
  Top w0.25: 94.65,46 96.26,47.61 R73.2
Net-(R74-Pad1): length 4.2
  Top w0.25: R74.1 87.99,47.58 89.57,46
Net-(U1A--): length 35.1
  Top w0.25: 25.91,29.66 R14.1 R13.1 ; R7.1 R8.1 6.59,26.66 9,24.25 20.75,24.25 23,26.5 24.01,26.5 25.89,28.39 U1.2 U1.1
Net-(U1B--): length 36.9
  Top w0.25: 51.9,33.76 51.9,31.76 ; 32.58,31.76 32.58,33.76 ; R22.1 51.91,27.66 48.5,24.25 36.75,24.25 33.89,27.11 U1.6 U1.7 32.14,28.39 33,29.25 33,31.34 R16.1
Net-(U2A-+): length 11.8
  Top w0.25: R23.2 16,34.84 16,31.5 15.61,31.11 U2.3 13.11,31.11 11.91,29.91 R10.2 R9.2
Net-(U2A--): length 8
  Top w0.25: R7.2 R8.2 8.58,31.59 R27.1 10.57,31.27 C12.2 12.06,31.27 13.17,32.39 U2.2
Net-(U2B-+): length 18.9
  Top w0.25: R14.2 R13.2 24.09,34.91 22.5,36.5 18.16,36.5 R24.2 16.5,34.84 16.5,30.5 17.16,29.84 U2.5
Net-(U2B--): length 7.3
  Top w0.25: R28.1 21.93,31.27 C13.2 ; C13.2 20.75,30.41 R11.2 R12.2 ; C13.2 18.88,31.27 U2.6
Net-(U3A-+): length 11.8
  Top w0.25: 41.24,35.6 41.99,34.85 41.99,31.51 41.6,31.12 39.1,31.12 37.9,29.92 35.24,29.92
Net-(U3A--): length 8
  Top w0.25: 39.76,32.39 39.16,32.39 38.05,31.28 36.56,31.28 36.24,31.6 34.56,31.6 34.4,31.76 34.4,33.76
Net-(U3B-+): length 18.9
  Top w0.25: 44.72,29.86 43.15,29.86 42.49,30.51 42.49,34.85 44.15,36.51 48.49,36.51 50.08,34.92 50.08,31.76
Net-(U3B--): length 7.3
  Top w0.25: 46.74,31.28 47.92,31.28 48.24,31.6 ; 46.74,31.28 46.74,30.42 47.24,29.92 49.24,29.92 ; 46.74,31.28 44.87,31.28 44.72,31.12
Net-(U4A--): length 35.1
  Top w0.25: U4.1 U4.2 77.89,28.39 76.01,26.5 75,26.5 72.75,24.25 61,24.25 58.59,26.66 R44.1 R43.1 ; 77.91,29.66 R50.1 R49.1
Net-(U4B--): length 36.9
  Top w0.25: 84.58,31.76 84.58,33.76 ; R58.1 103.91,27.66 100.5,24.25 88.75,24.25 85.88,27.11 U4.6 U4.7 84.13,28.39 85,29.25 85,31.34 R52.1 ; 103.9,33.76 103.9,31.76
Net-(U5A-+): length 11.8
  Top w0.25: R59.2 68,34.84 68,31.5 67.62,31.11 U5.3 65.12,31.11 63.91,29.91 R46.2 R45.2
Net-(U5A--): length 8
  Top w0.25: U5.2 65.17,32.39 64.06,31.27 C48.2 62.57,31.27 R63.1 60.57,31.59 R44.2 R43.2
Net-(U5B-+): length 18.9
  Top w0.25: R50.2 R49.2 76.09,34.91 74.5,36.5 70.16,36.5 R60.2 68.5,34.84 68.5,30.5 69.16,29.84 U5.5
Net-(U5B--): length 7.3
  Top w0.25: R48.2 R47.2 72.75,30.41 C49.2 ; C49.2 73.93,31.27 R64.1 ; C49.2 70.88,31.27 U5.6
Net-(U6A-+): length 11.1
  Top w0.25: 91.76,31.12 93.6,31.12 93.99,31.51 93.99,34.85 93.24,35.6 ; 91.1,31.12 89.9,29.92 87.24,29.92
Net-(U6A--): length 8
  Top w0.25: 91.76,32.39 91.16,32.39 90.05,31.28 88.56,31.28 88.24,31.6 86.56,31.6 86.4,31.76 86.4,33.76
Net-(U6B-+): length 18.9
  Top w0.25: 102.08,31.76 102.08,34.92 100.49,36.51 96.15,36.51 94.49,34.85 94.49,30.51 95.15,29.86 96.72,29.86
Net-(U6B--): length 7.3
  Top w0.25: 100.24,31.6 99.92,31.28 98.74,31.28 ; 98.74,31.28 96.87,31.28 96.72,31.12 ; 98.74,31.28 98.74,30.42 99.24,29.92 101.24,29.92

## Copper pours and planes (outline as drawn; the poured copper is in the pictures)
GND on Top, Bottom, In1.Cu: 110,70 110,0 0,0 0,70
GND on In1.Cu: 110,70 110,0 0,0 0,70
VCC on In2.Cu: 110,70 0,70 0,7 110,7
VEE on In2.Cu: 0,28.5 0,0 110,-0.01 110,6.5 43,6.5 43,18.49 100,18.5 100,28.5
Earth_Protective on Top, Bottom, In1.Cu, In2.Cu: 110,70 110,0 0,0 0,70 97,70 97,67.5 2.5,67.5 2.5,9.5 8.5,8.5 9.5,2.5 100.5,2.5 101.5,8.5 107.5,9.5 107.5,67.5 97,67.5 97,70
Earth_Protective on In2.Cu: 0,70 0,49 110,49 110,70

## Text on the board
B.Silkscreen: R4   L4   R3   L3  GND Vcc | NC  NC  NC  NC GND Vee | Vee GND  R2   L2   R1   L1 | Vcc GND  NC  NC  NC  NC
F.Silkscreen: Only populate / ONE connector! | Inputs 1-4 | Inputs 5-8 | Revision 2.0 | 30.04.2024 | Balanced | Analog Audio Output Board | for SmallDSP
